# Altium PCB MiniRacer_V2.PcbDoc
Units mm, origin at the board's own origin, x right, y up, seen from the top; angles counter-clockwise.
Board outline 69.72 x 31.11 mm, 2 copper layers (Top Layer, Bottom Layer); 53 components, 52 nets, 208 pads, 80 vias.
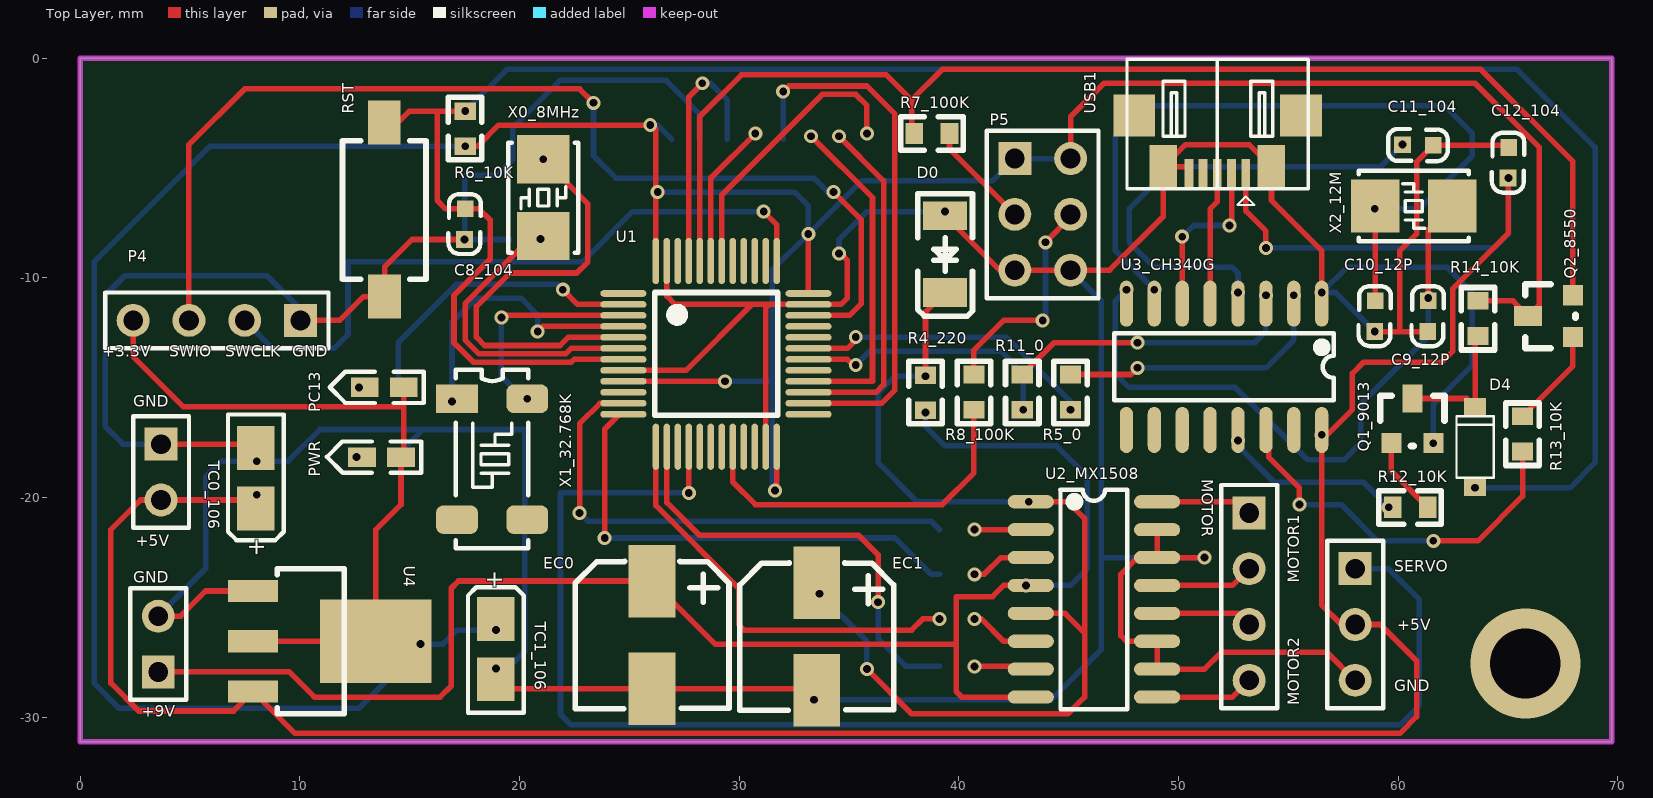
[diagram p0: Top Layer view]
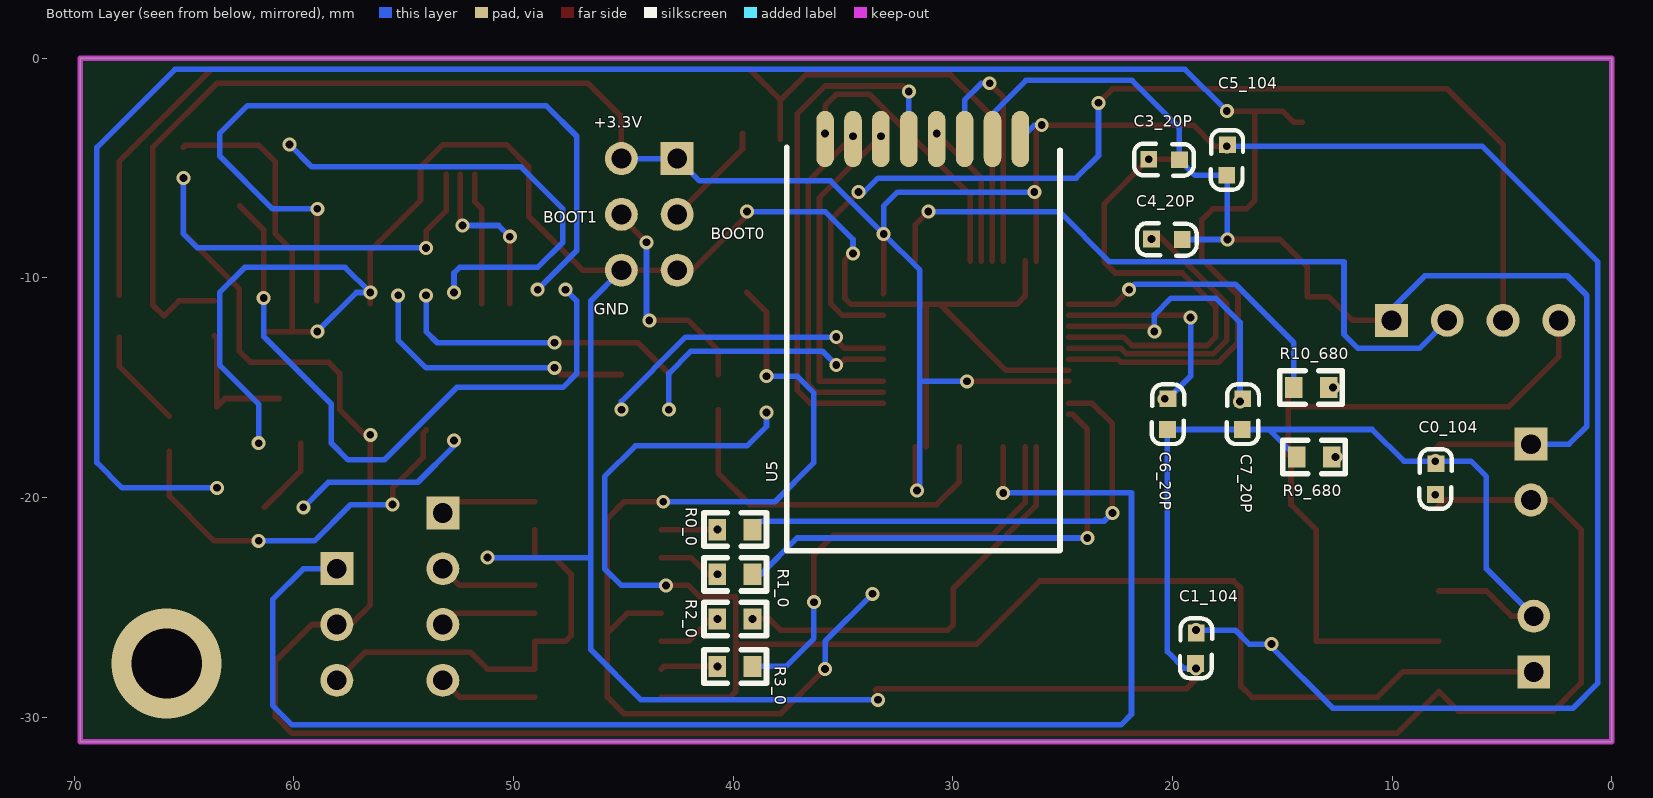
[diagram p1: Bottom Layer view, seen from below]

## Layer stack, top to bottom
Top Solder: solder mask 0.0102, Solder Resist, Dk 3.5
Top Layer: signal copper 0.0356
Dielectric 1: dielectric 0.32, FR-4, Dk 4.8
Bottom Layer: signal copper 0.0356
Bottom Solder: solder mask 0.0102, Solder Resist, Dk 3.5

## Board outline
0,-31.115 0,0 69.723,0 69.723,-31.115

## Design rules (kind name [scope] priority, off if disabled: settings)
Clearance [All] p1: gap=0 ignorepadtopadclearanceinfootprint=TRUE
HoleToHoleClearance [All] p1: gap=0 allowstackedmicrovias=TRUE
MinimumSolderMaskSliver [All] p1: minsoldermaskwidth=0
PolygonConnect [All] p1: connectstyle=Relief reliefconductorwidth=0.254 reliefentries=4 polygonreliefangle="90 Angle" airgapwidth=0.254
RoutingVias [All] p1: holewidth=0.711 width=1.27 viastyle="Through Hole" minholewidth=0.711 minwidth=1.27 maxholewidth=0.711 maxwidth=1.27
SilkToSilkClearance [All] p1: silktosilkclearance=0
SilkToSolderMaskClearance [IsPad] p1: minsilkscreentomaskgap=0 clearancetoexposedcopper=TRUE
SolderMaskExpansion [All] p1: expansion=0.102
Width [All] p1: maxlimit=0.254 minlimit=0.254 preferedwidth=0.254
26 further rules are at their usual default settings.

## Components (designator, comment, footprint, x,y, rotation, side; value= is the part's Value field where it differs from the comment)
+5V "Header 2" HDR1X2 3.683,-17.573 r270 top
+9V "Header 2" HDR1X2 3.556,-27.94 r90 top
C0_104 "104" 0603C 7.992,-18.457 r270 bottom
C1_104 "104" 0603C 18.957,-27.564 r90 bottom
C3_20P "20P" 0603C 21.087,-4.591 r180 bottom
C4_20P "20P" 0603C 20.96,-8.221 r180 bottom
C5_104 "104" 0603C 17.492,-3.932 r270 bottom
C6_20P "20P" 0603C 20.238,-16.908 r90 bottom
C7_20P "20P" 0603C 16.834,-16.908 r90 bottom
C8_104 "104" 0603C 17.535,-6.853 r270 top
C9_12P "12P" 0603C 61.375,-11.044 r270 top
C10_12P "12P" 0603C 58.962,-11.044 r270 top
C11_104 "104" 0603C 60.193,-3.928 r0 top
C12_104 "104" 0603C 65.033,-4.059 r270 top
D0 "DIODE" LL34 39.37,-7.168 r270 top
D4 "DIODE" SOD-123 63.5,-19.482 r90 top
EC0 "SMD_ECAP" SMD-EC6.3X6.3X10 26.035,-23.781 r270 top
EC1 "SMD_ECAP" SMD-EC6.3X6.3X10 33.528,-23.855 r270 top
MOTOR "2_Motor" HDR1X4 53.213,-20.701 r270 top
P4 "Pin HDR1X4" HDR1X4 10.033,-11.938 r180 top
P5 "Pin HDR2X3" "Pin HDR2X3/2.54mm-S" 42.545,-4.572 r270 top
PC13 "LED" LED-0603Y 14.732,-14.986 r180 top
PWR "LED" LED-0603Y 14.605,-18.161 r180 top
Q1_9013 "9013_NPN" SOT-23 60.579,-16.637 r0 top
Q2_8550 "8550_PNP" SOT-23 67.056,-11.811 r90 top
R0_0 "0" 0603R 39.116,-21.463 r0 bottom
R1_0 "0" 0603R 39.116,-23.495 r0 bottom
R2_0 "0" 0603R 39.116,-25.527 r0 bottom
R3_0 "0" 0603R 39.116,-27.686 r0 bottom
R4_220 "220" 0603R 38.481,-14.427 r270 top
R5_0 "0" 0603R 45.085,-16.002 r90 top (schematic designator R5_10K)
R6_10K "10k" 0603R 17.526,-2.413 r270 top
R7_100K "100k" 0603R 39.573,-3.429 r180 top
R8_100K "100k" 0603R 40.682,-16.002 r90 top
R9_680 "680" 0603R 14.351,-18.161 r180 bottom
R10_680 "680" 0603R 14.478,-14.986 r180 bottom
R11_0 "0" 0603R 42.884,-16.002 r90 top (schematic designator R11_10K)
R12_10K "10k" 0603R 59.741,-20.447 r0 top
R13_10K "10k" 0603R 65.659,-17.907 r90 top
R14_10K "10k" 0603R 63.627,-12.649 r90 top
RST "KEY" SMD-3X6X2.5 13.843,-10.795 r90 top
SERVO "Servo" HDR1X3 58.039,-23.241 r270 top
TC0_106 "106" TAJ-A/3216 8.001,-20.541 r90 top
TC1_106 "106" TAJ-A/3216 18.923,-25.48 r270 top
U1 "STM32F103C8T6" "LQFP48 7X7" 28.956,-13.462 r270 top
U2_MX1508 "MX1508" SOP16 43.272,-20.193 r0 top
U3_CH340G "CH340G" SOP16 56.515,-11.176 r270 top
U4 "AMS1117_3.3V" SOT223 7.874,-26.543 r270 top
U5 "NRF24L01" NRF24L01 26.924,-3.683 r270 bottom
USB1 "Micro-USB" USB-MICRO_A 53.061,-5.283 r180 top
X0_8MHz "8MHz" "OSC 5032-2P" 21.082,-6.35 r90 top
X1_32.768K "32.768K" "OSC MC-306" 18.756,-18.256 r270 top
X2_12M "12MHz" "OSC 5032-2P" 60.706,-6.731 r180 top

## Footprints (in the part's own frame and the unit in brackets; to place one, negate y for a bottom-side part, rotate by r counter-clockwise, add the part's x,y. Pads: shape width x height; smd on the part's side, far side on the other; paste and mask are expansions set on the pad)
0603C [mil]
  rect 30x30 smd: 1(0.21,-0.35) 2(55.21,-1.35)
  silkscreen extent -26,-30 81,28, body extent -1,-15 62,16, height 12
0603R [mm]
  rect 0.8x0.965 smd: 1(0,0) 2(1.6,0)
  silkscreen extent -0.64,-0.76 2.21,0.76, body extent -0.04,-0.41 1.56,0.41, height 0.45
HDR1X2 [mm] "Connector; Header; 2 Position"
  rect 1.5x1.5 hole 0.9: 1(0,0)
  round 1.5 hole 0.9: 2(2.54,0)
  silkscreen extent -1.27,-1.27 3.81,1.27
HDR1X3 [mm] "Connector; Header; 3 Position"
  rect 1.5x1.5 hole 0.9: 1(0,0)
  round 1.5 hole 0.9: 2(2.54,0) 3(5.08,0)
  silkscreen extent -1.27,-1.27 6.35,1.27
HDR1X4 [mm] "Connector; Header; 4 Position"
  rect 1.5x1.5 hole 0.9: 1(0,0)
  round 1.5 hole 0.9: 2(2.54,0) 3(5.08,0) 4(7.62,0)
  silkscreen extent -1.27,-1.27 8.89,1.27
LED-0603Y [mil]
  rect 50x35 smd: A(0,0) K(70,0)
  silkscreen extent -36,-28 133,28, body extent 4,-17 66,15, height 24
LL34 [mm] "玻封二极管"
  rect 1.3x2 smd: A(0,0) K(3.5,0)
  silkscreen extent -1,-1.25 4.57,1.25, body extent -0.1,-0.75 3.4,0.75, height 1.5
"LQFP48 7X7" [mm]
  oval 0.3x2.1 smd: 1(-2.75,-4.227) 2(-2.25,-4.227) 3(-1.75,-4.227) 4(-1.25,-4.227) 5(-0.75,-4.227) 6(-0.25,-4.227) 7(0.25,-4.227) 8(0.75,-4.227) 9(1.25,-4.227) 10(1.75,-4.227) 11(2.25,-4.227) 12(2.75,-4.227) 25(2.75,4.202) 26(2.25,4.202) 27(1.75,4.202) 28(1.25,4.202) 29(0.75,4.202) 30(0.25,4.202) 31(-0.25,4.202) 32(-0.75,4.202) 33(-1.25,4.202) 34(-1.75,4.202) 35(-2.25,4.202) 36(-2.75,4.202)
  oval 2.1x0.3 smd: 13(4.227,-2.75) 14(4.227,-2.25) 15(4.227,-1.75) 16(4.227,-1.25) 17(4.227,-0.75) 18(4.227,-0.25) 19(4.227,0.25) 20(4.227,0.75) 21(4.227,1.25) 22(4.227,1.75) 23(4.227,2.25) 24(4.227,2.75) 37(-4.227,2.75) 38(-4.227,2.25) 39(-4.227,1.75) 40(-4.227,1.25) 41(-4.227,0.75) 42(-4.227,0.25) 43(-4.227,-0.25) 44(-4.227,-0.75) 45(-4.227,-1.25) 46(-4.227,-1.75) 47(-4.227,-2.25) 48(-4.227,-2.75)
  silkscreen extent -2.79,-2.79 2.79,2.79, body extent -4.51,-4.5 4.5,4.5, height 1.45
NRF24L01 [mm]
  oval 2.56x0.8 smd: 1(0,0) 2(0,-1.27) 3(0,-2.54) 4(0,-3.81) 5(0,-5.08) 6(0,-6.35) 7(0,-7.62) 8(0,-8.89)
  silkscreen extent 0.38,-10.64 18.75,1.8, body extent 0.5,-10.4 18.5,1.6, height 1
"OSC 5032-2P" [mm]
  rect 2.2x2.4 smd: 1(-1.75,0) 2(1.75,0)
  silkscreen extent -2.5,-1.6 2.5,1.6, body extent -2.5,-1.52 2.5,1.68, height 0.86
"OSC MC-306" [mm]
  rect 1.3x1.9 smd: 1(-2.75,-1.6)
  rrect50% 1.3x1.9 smd: 2(2.75,-1.6) 3(2.75,1.6) 4(-2.75,1.6)
  silkscreen extent -4.06,-1.65 4.06,1.65, body extent -4,-1.52 4,1.74, height 2.56
"Pin HDR2X3/2.54mm-S" [mm] "Connector; Header; 3x2 Position"
  rect 1.5x1.5 hole 0.9: 1(0,0)
  round 1.5 hole 0.9: 2(0,2.54) 3(2.54,0) 4(2.54,2.54) 5(5.08,0) 6(5.08,2.54)
  silkscreen extent -1.27,-1.27 6.35,3.81, body extent -1.27,-1.27 6.35,3.81, height 7.58
SMD-3X6X2.5 [mm]
  rect 2x1.5 smd: 1(-0.059,-0.02) 3(7.874,0)
  silkscreen extent 0.73,-1.9 7.03,1.9, body extent -0.19,-1.78 7.81,1.72, height 2.59
SMD-EC6.3X6.3X10 [mm]
  rect 3.3x2.132 smd: 1(0.021,0) 2(4.921,0)
  silkscreen extent -0.88,-3.5 5.84,3.5, body extent -1.09,-3.3 5.91,3.3, height 5.4
SOD-123 [mm] "塑封二极管"
  rect 0.8x1 smd: A(-0.051,0) K(3.607,0)
  silkscreen extent 0.38,-0.85 3.18,0.85, body extent -0.12,-0.89 3.73,0.81, height 1.43
SOP16 [mm]
  oval 2.1x0.6 smd: 1(0,0) 2(0,-1.27) 3(0,-2.54) 4(0,-3.81) 5(0,-5.08) 6(0,-6.35) 7(0,-7.62) 8(0,-8.89) 9(5.75,-8.89) 10(5.75,-7.62) 11(5.75,-6.35) 12(5.75,-5.08) 13(5.75,-3.81) 14(5.75,-2.54) 15(5.75,-1.27) 16(5.75,0)
  silkscreen extent 1.35,-9.45 4.4,0.56, body extent -0.04,-9.45 5.97,0.56, height 1.9
SOT223 [mil]
  rect 40x90 smd: 1(-90,0) 2(0,0) 3(90,0)
  rect 150x200 smd: 2(0,220)
  silkscreen extent -130,43 130,163, body extent -130,-30 126,246, height 65
SOT-23 [mil]
  rect 36x36 smd: B(-35,-35) E(40,-35)
  rect 36x50 smd: C(3,45)
  silkscreen extent -55,-40 60,50, body extent -54,-48 60,62, height 47
TAJ-A/3216 [mm]
  rect 2x1.7 smd: 1(0.047,0) 2(2.794,0)
  silkscreen extent -1.4,-1.27 4.32,1.27, body extent -0.2,-0.8 3,0.8, height 1.6
USB-MICRO_A [mm]
  rect 1.9x1.9 smd: 0(-2.515,-2.667) 0(5.08,-2.667)
  rect 0.4x1.4 smd: 1(0,0) 2(0.648,0) 3(1.295,0) 4(1.943,0) 5(2.591,0)
  rect 1.25x2 smd: 5(-1.168,-0.33) 5(3.759,-0.33)
  silkscreen extent -2.84,-5.24 5.41,1.4, body extent -2.71,-5.08 5.25,0.34, height 2.69

## Part data
+5V +9V: "Header, 2-Pin", LatestRevisionDate=17-Jul-2002, LatestRevisionNote="Re-released for DXP Platform.", Publisher="Altium Limited"
C0_104 C1_104 C3_20P C4_20P C5_104 C6_20P C7_20P C8_104 C9_12P C10_12P C11_104 C12_104: library part CAP, "无极性电容"
D0 D4: "普通二极管"
EC0 EC1: "贴片电解电容"
MOTOR: library part "Header 4", "Header, 4-Pin", LatestRevisionDate=17-Jul-2002, LatestRevisionNote="Re-released for DXP Platform.", Publisher="Altium Limited"
Q1_9013 Q2_8550: library part NPN, "NPN三极管"
R0_0 R1_0 R2_0 R3_0 R4_220 R5_0 R6_10K R7_100K R8_100K R9_680 R10_680 R11_0 R12_10K R13_10K R14_10K: library part RES
SERVO: library part "Header 3", "Header, 3-Pin", LatestRevisionDate=17-Jul-2002, LatestRevisionNote="Re-released for DXP Platform.", Publisher="Altium Limited"
TC0_106 TC1_106: library part TCAP, "钽电容"
U4: library part AMS1117, "三端稳压芯片"
X0_8MHz X2_12M: library part XTAL-2P, "2脚无源脚晶振"
X1_32.768K: library part XTAL-MC-4P, "MC系列4脚晶振"

## Via types
v1: diameter 0.635, hole 0.356, Top Layer to Bottom Layer, 79 vias
v2: diameter 5, hole 3.2, Top Layer to Bottom Layer, 1 vias

## Nets (pads, with @x,y where several pads share a name; then routed paths per layer and width w, separated by ;. In a path a pad name is that pad's centre, name@x,y a point inside that pad or via, vN(x,y) a via of type N, cw(c..) or ccw(c..) an arc to the next point about the centre after c; other vN are vias at no path point)
+3.3V: C1_104.2 C5_104.1 P4.4 P5.1 P5.2 PC13.A PWR.A Q2_8550.C R6_10K.2 R14_10K.2 TC1_106.1 U1.9 U1.24 U1.36 U1.48 U4.2 U5.1 | length 189.1
  Top Layer w0.254: P4.4 2.413,-13.589 4.699,-15.875 14.605,-15.875 14.732,-15.748 ; U4.2@7.874,-26.543 13.462,-26.543 13.462,-21.463 14.605,-20.32 PWR.A 14.732,-18.034 14.732,-15.748 ; PC13.A 14.732,-15.748 ; v1(17.526,-4.013) 18.085,-4.013 19.05,-3.048 v1(25.952,-3.048) v1@25.952,-2.965 ; U1.9 v1(29.357,-14.712) v1@29.464,-14.605 ; U1.48 v1@26.206,-3.219 ; v1(31.623,-19.685) 31.623,-19.773 31.706,-19.856 U1.24 ; v1(33.147,-8.001) 33.147,-10.701 U1.36 ; P5.2@45.212,-4.572 P5.2 45.085,-2.667 46.609,-1.143 63.5,-1.143 66.421,-4.064 66.421,-11.227 Q2_8550.C 65.227,-11.049 R14_10K.2
  Bottom Layer w0.254: v1@15.494,-26.797 12.7,-29.591 1.778,-29.591 0.635,-28.448 0.635,-9.271 5.893,-4.013 v1(17.526,-4.013) ; v1(15.494,-26.67) 16.51,-26.67 17.145,-26.035 v1(18.923,-26.035) ; v1(25.952,-3.048) 26.289,-3.048 U5.1 ; v1(26.289,-6.096) 32.512,-6.096 33.147,-6.731 v1(33.147,-8.001) ; v1(29.357,-14.712) 31.476,-14.712 31.496,-14.732 ; v1@31.496,-19.812 31.496,-14.732 ; P5.2 P5.1 41.529,-5.588 35.56,-5.588 v1(33.147,-8.001) ; 31.496,-14.732 31.496,-9.652 v1(33.147,-8.001)
+5V: +5V.2 C0_104.2 C12_104.2 SERVO.2 TC0_106.1 U3_CH340G.16 U4.3 USB1.1 | length 126.3
  Top Layer w0.254: TC0_106.1 7.62,-20.113 +5V.2 2.747,-20.113 1.397,-21.463 1.397,-28.448 2.667,-29.718 6.985,-29.718 U4.3 9.779,-30.734 60.071,-30.734 60.833,-29.972 60.833,-27.432 59.182,-25.781 SERVO.2 57.404,-25.781 56.515,-24.892 56.515,-17.399 57.912,-16.002 57.912,-14.351 58.42,-13.843 61.976,-13.843 62.484,-13.335 62.484,-10.49 64.999,-7.976 C12_104.2 ; USB1.1 53.061,-6.96 53.975,-7.874 v1(53.975,-8.636)
  Bottom Layer w0.254: v1(53.975,-8.636) 64.389,-8.636 65.024,-8.001 v1(65.024,-5.461)
  other v1: 8.037,-19.871 56.515,-17.145
+5~6V: D0.K EC1.1 R4_220.1 U2_MX1508.1 U2_MX1508.5 | length 46.5
  Top Layer w0.254: v1(35.814,-27.813) 37.846,-29.845 44.958,-29.845 45.72,-29.083 45.72,-26.162 ; R4_220.1 38.481,-11.557 D0.K ; U2_MX1508.5 44.831,-25.273 45.72,-26.162 ; U2_MX1508.1 44.958,-20.193 45.72,-20.955 45.72,-26.162
  Bottom Layer w0.254: v1(33.655,-24.384) 35.814,-26.543 v1(35.814,-27.813) ; v1(38.481,-14.478) 37.084,-14.478 36.322,-15.24 36.322,-18.415 38.1,-20.193 v1(43.18,-20.193)
+9V: +9V.1 EC0.1 R4_220.2 U2_MX1508.4 U2_MX1508.8 | length 70.4
  Top Layer w0.254: +9V.1 9.525,-27.94 10.668,-29.083 16.383,-29.083 16.891,-28.575 16.891,-24.13 17.219,-23.802 EC0.1 28.903,-26.67 39.878,-26.67 ; U2_MX1508.8 40.132,-29.083 39.878,-28.829 39.878,-26.67 ; U2_MX1508.4 v1(43.053,-24.003) 42.037,-24.003 41.529,-24.511 39.878,-24.511 39.878,-26.67
  Bottom Layer w0.254: v1(38.481,-16.129) 38.481,-16.764 39.37,-17.653 44.45,-17.653 45.847,-19.05 45.847,-23.241 45.085,-24.003 v1(43.053,-24.003)
BOOT0: Q2_8550.E R7_100K.2 U1.44 | length 57.8
  Top Layer w0.254: U1.44 28.206,-2.655 30.099,-0.762 36.703,-0.762 37.846,-1.905 ; R7_100K.2@37.846,-3.683 37.846,-1.905 ; Q2_8550.E 67.945,-4.699 63.754,-0.508 39.243,-0.508 37.846,-1.905
BOOT1: R8_100K.1 U1.20 | length 16.5
  Top Layer w0.254: U1.20 29.706,-19.292 30.734,-20.32 39.243,-20.32 40.682,-18.881 R8_100K.1
D+: U3_CH340G.5 USB1.3 | length 6
  Top Layer w0.254: U3_CH340G.5 51.435,-6.858 51.765,-6.528 USB1.3
D-: U3_CH340G.6 USB1.2 | length 7.7
  Top Layer w0.254: U3_CH340G.6 v1(50.165,-8.128) ; v1(52.324,-7.62) 52.413,-7.531 USB1.2
  Bottom Layer w0.254: v1(50.165,-8.128) 50.673,-7.62 v1@52.197,-7.62
GND: +5V.1 +9V.2 C0_104.1 C1_104.1 C3_20P.2 C4_20P.2 C5_104.2 C6_20P.1 C7_20P.1 C8_104.2 C9_12P.2 C10_12P.2 C11_104.2 C12_104.1 D0.A EC0.2 EC1.2 P4.1 P5.5 P5.6 Q1_9013.E R9_680.1 RST.1 SERVO.3 TC0_106.2 TC1_106.2 U1.8 U1.23 U1.35 U1.47 U2_MX1508.10 U2_MX1508.11 U2_MX1508.14 U2_MX1508.15 U3_CH340G.1 U4.1 U5.2 USB1.5 | length 260.4
  Top Layer w0.254: +9V.2 4.572,-25.4 5.715,-24.257 U4.1 ; +5V.1 7.827,-17.573 TC0_106.2 ; P4.1 11.811,-11.938 12.895,-10.854 RST.1 13.863,-9.505 15.113,-8.255 v1(17.501,-8.255) ; TC1_106.2 19.351,-28.702 EC0.2 33.454,-28.702 EC1.2 ; U1.8 27.571,-14.212 30.571,-11.212 ; U1.47 26.706,-10.831 27.087,-11.212 30.571,-11.212 ; U1.23 31.206,-11.375 31.369,-11.212 ; v1@34.734,-9.017 34.925,-9.207 34.925,-10.922 34.635,-11.212 U1.35 31.369,-11.212 ; D0.A 41.854,-9.652 P5.5 P5.6 46.863,-9.652 49.301,-7.214 USB1.5@49.301,-4.953 ; U2_MX1508.15 U2_MX1508.14 ; USB1.5@50.419,-4.953 USB1.5@49.301,-4.953 ; v1(51.181,-22.733) U2_MX1508.14 ; U3_CH340G.1 v1(56.515,-10.668) 56.515,-8.763 54.229,-6.477 54.229,-4.953 53.213,-3.937 50.317,-3.937 USB1.5@49.301,-4.953 ; SERVO.3 56.769,-27.051 51.943,-27.051 51.181,-27.813 U2_MX1508.10 U2_MX1508.11 47.625,-26.543 47.371,-26.289 47.371,-23.495 48.133,-22.733 U2_MX1508.14 ; v1(58.928,-12.446) 60.071,-12.446 ; C9_12P.2 60.071,-12.446 ; C12_104.1 64.922,-3.962 C11_104.2 60.833,-4.724 60.833,-8.001 60.071,-8.763 60.071,-12.446 ; 30.571,-11.212 31.369,-11.212
  Bottom Layer w0.254: +9V.2 5.715,-23.241 5.715,-19.05 6.418,-18.347 v1(8.037,-18.347) 9.466,-18.347 10.91,-16.903 15.609,-16.903 ; +5V.1 1.952,-17.573 1.143,-16.764 1.143,-10.795 2.032,-9.906 8.509,-9.906 10.033,-11.43 P4.1 ; R9_680.1 15.609,-16.903 ; v1(18.935,-27.777) 19.467,-27.777 20.229,-27.015 C6_20P.1 C7_20P.1 15.609,-16.903 ; C4_20P.2 v1(17.501,-8.255) 17.501,-5.359 C5_104.2 18.976,-5.334 C3_20P.2 19.685,-3.175 21.844,-1.016 26.67,-1.016 28.194,-2.54 U5.2 ; v1(33.401,-29.21) 44.196,-29.21 46.482,-26.924 46.482,-22.733 ; v1(34.544,-8.89) 34.544,-8.255 35.814,-6.985 v1(39.37,-6.985) ; P5.6 46.482,-11.049 46.482,-22.733 ; v1(51.181,-22.733) 46.482,-22.733 ; v1(58.928,-12.446) 57.15,-10.668 v1(56.515,-10.668) 57.658,-9.525 62.23,-9.525 63.373,-10.668 63.373,-13.97 61.595,-15.748 v1(61.595,-17.526)
I/O_CE: U1.45 U5.3 | length 11.6
  Top Layer w0.254: U1.45 27.706,-1.758 v1(28.321,-1.143)
  Bottom Layer w0.254: v1(28.321,-1.143) 28.702,-1.143 29.464,-1.905 U5.3
I/O_CSN: U1.43 U5.4 | length 6.6
  Top Layer w0.254: U1.43 28.706,-5.457 v1(30.734,-3.429)
I/O_INA1: R0_0.1 U1.11 | length 23.1
  Top Layer w0.254: v1(22.733,-20.701) 22.733,-16.637 23.658,-15.712 U1.11
  Bottom Layer w0.254: v1(22.733,-20.701) 23.114,-21.082 38.735,-21.082 R0_0.1
I/O_INA2: R2_0.1 U1.13 | length 19
  Top Layer w0.254: U1.13 26.206,-20.364 29.972,-24.13 29.972,-25.781 30.226,-26.035 37.846,-26.035 38.354,-25.527 v1@38.989,-25.527
  other v1: 39.116,-25.527
I/O_INB1: R1_0.1 U1.12 | length 22
  Top Layer w0.254: v1(23.876,-21.844) 23.876,-16.891 24.555,-16.212 U1.12
  Bottom Layer w0.254: v1(23.876,-21.844) 37.084,-21.844 38.735,-23.495 R1_0.1
I/O_INB2: R3_0.1 U1.14 | length 20.3
  Top Layer w0.254: U1.14 26.706,-20.229 28.194,-21.717 35.433,-21.717 36.322,-22.606 v1(36.322,-24.765)
  Bottom Layer w0.254: v1(36.322,-24.765) 36.322,-26.416 37.592,-27.686 R3_0.1
I/O_IRO: U1.42 U5.8 | length 13
  Top Layer w0.254: U1.42 29.206,-6.227 33.782,-1.651 35.306,-1.651 35.814,-2.159 v1(35.814,-3.429)
I/O_MISO: U1.27 U5.7 | length 15.7
  Top Layer w0.254: U1.27 36.223,-15.212 36.576,-14.859 36.576,-5.588 v1(34.544,-3.556)
I/O_MOSI: U1.28 U5.6 | length 15.2
  Top Layer w0.254: U1.28 36.068,-14.712 36.068,-6.35 v1(33.274,-3.556)
I/O_SCK: U1.26 U5.5 | length 24.6
  Top Layer w0.254: v1(32.004,-1.524) 32.258,-1.27 35.814,-1.27 37.084,-2.54 37.084,-15.113 36.485,-15.712 U1.26
  Bottom Layer w0.254: U5.5 v1(32.004,-1.524)
I/O_Servo: SERVO.1 U1.16 | length 66
  Top Layer w0.254: v1@27.686,-19.812 v1(27.706,-19.792) U1.16
  Bottom Layer w0.254: v1(27.706,-19.792) 21.864,-19.792 21.864,-29.865 22.352,-30.353 60.071,-30.353 60.96,-29.464 60.96,-24.638 59.563,-23.241 SERVO.1
NetC3_20P_1: C3_20P.1 U1.5 X0_8MHz.2 | length 20.9
  Top Layer w0.254: X0_8MHz.2@20.038,-4.6 v1(21.082,-4.6) 23.114,-6.632 23.114,-9.271 22.606,-9.779 19.558,-9.779 18.034,-11.303 18.034,-12.7 18.415,-13.081 21.844,-13.081 22.213,-12.712 U1.5
NetC4_20P_1: C4_20P.1 U1.6 X0_8MHz.1 | length 14.1
  Top Layer w0.254: X0_8MHz.1 20.602,-8.1 17.526,-11.176 17.526,-12.827 18.161,-13.462 22.098,-13.462 22.348,-13.212 U1.6
  other v1: 20.955,-8.23
NetC6_20P_2: C6_20P.2 U1.3 X1_32.768K.4 | length 9.7
  Top Layer w0.254: v1(19.177,-11.811) 19.276,-11.712 U1.3
  Bottom Layer w0.254: v1(19.177,-11.811) 19.177,-14.479 C6_20P.2
  other v1: 20.356,-15.506
NetC7_20P_2: C7_20P.2 U1.4 X1_32.768K.1 | length 13
  Top Layer w0.254: v1(20.828,-12.446) 21.062,-12.212 U1.4
  Bottom Layer w0.254: v1(16.927,-15.633) 16.927,-12.029 18.034,-10.922 20.066,-10.922 20.828,-11.684 v1(20.828,-12.446)
NetC9_12P_1: C9_12P.1 U3_CH340G.8 X2_12M.1 | length 29.8
  Top Layer w0.254: C9_12P.1 v1(61.366,-10.922) 61.366,-7.821 X2_12M.1
  Bottom Layer w0.254: v1(47.625,-10.541) 47.117,-11.049 47.117,-14.351 47.752,-14.986 52.578,-14.986 55.88,-18.288 57.531,-18.288 58.293,-17.526 58.293,-15.748 61.366,-12.675 v1(61.366,-10.922)
NetC10_12P_1: C10_12P.1 U3_CH340G.7 X2_12M.2 | length 35.9
  Top Layer w0.254: C10_12P.1 58.953,-6.734 X2_12M.2
  Bottom Layer w0.254: v1(48.895,-10.541) 47.117,-8.763 47.117,-3.556 48.514,-2.159 62.103,-2.159 63.373,-3.429 63.373,-4.445 60.96,-6.858 v1(58.928,-6.858)
NetC11_104_1: C11_104.1 U3_CH340G.4 | length 21.6
  Bottom Layer w0.254: v1(52.705,-10.668) 52.705,-9.779 52.451,-9.525 48.895,-9.525 47.752,-8.382 47.752,-6.858 49.657,-4.953 59.182,-4.953 v1(60.198,-3.937)
NetD4_K: D4.K Q1_9013.C R14_10K.1 | length 6.3
  Top Layer w0.254: Q1_9013.C 63.119,-15.494 D4.K 63.5,-12.776 R14_10K.1
NetP5_3: P5.3 R7_100K.1 | length 4.9
  Top Layer w0.254: R7_100K.1 39.573,-4.14 P5.3
NetP5_4: P5.4 R8_100K.2 | length 10.2
  Top Layer w0.254: R8_100K.2 40.682,-13.293 42.037,-11.938 v1(43.815,-11.938) ; v1(43.942,-8.382) 45.085,-7.239 P5.4
  Bottom Layer w0.254: v1(43.815,-11.938) 43.942,-11.811 v1(43.942,-8.382)
NetPC13_K: PC13.K R10_680.2
  other v1: 12.7,-14.986
NetPWR_K: PWR.K R9_680.2
  other v1: 12.573,-18.161
NetQ1_9013_B: Q1_9013.B R12_10K.2 | length 3.6
  Top Layer w0.254: Q1_9013.B 59.69,-18.796 R12_10K.2
NetQ2_8550_B: Q2_8550.B R13_10K.2 | length 4.6
  Top Layer w0.254: R13_10K.2 67.945,-14.021 Q2_8550.B
NetR0_0_2: R0_0.2 U2_MX1508.2 | length 2.6
  Top Layer w0.254: v1(40.716,-21.463) U2_MX1508.2
NetR1_0_2: R1_0.2 U2_MX1508.3 | length 2.9
  Top Layer w0.254: v1(40.716,-23.495) 41.148,-23.495 41.91,-22.733 U2_MX1508.3
NetR2_0_2: R2_0.2 U2_MX1508.6 | length 3
  Top Layer w0.254: v1(40.716,-25.527) 41.021,-25.527 42.037,-26.543 U2_MX1508.6
NetR3_0_2: R3_0.2 U2_MX1508.7 | length 2.6
  Top Layer w0.254: v1(40.716,-27.686) 43.145,-27.686 U2_MX1508.7
NetR5_0_2: R5_0.2 U3_CH340G.2 | length 12.8
  Top Layer w0.254: R5_0.2 47.828,-14.402 v1(48.133,-14.097)
  Bottom Layer w0.254: v1(48.133,-14.097) 53.975,-14.097 55.245,-12.827 v1(55.245,-10.795)
NetR11_0_2: R11_0.2 U3_CH340G.3 | length 13.6
  Top Layer w0.254: R11_0.2 44.332,-12.954 v1(48.133,-12.954)
  Bottom Layer w0.254: v1(48.133,-12.954) 53.467,-12.954 53.975,-12.446 v1(53.975,-10.795)
NetR12_10K_1: R12_10K.1 U3_CH340G.13 | length 8.3
  Bottom Layer w0.254: v1(52.705,-17.399) 52.705,-17.653 54.356,-19.304 58.42,-19.304 v1(59.563,-20.447)
NetR13_10K_1: R13_10K.1 U3_CH340G.14 | length 17.8
  Top Layer w0.254: U3_CH340G.14 54.102,-17.053 54.102,-18.161 55.499,-19.558 v1(55.499,-20.32) ; v1(61.595,-21.971) 63.627,-21.971 65.659,-19.939 R13_10K.1
  Bottom Layer w0.254: v1(55.499,-20.32) 57.404,-20.32 59.055,-21.971 61.468,-21.971 v1@61.595,-21.844
NRST: C8_104.1 D4.A R6_10K.1 RST.3 U1.7 | length 98.9
  Top Layer w0.254: RST.3@14.097,-2.921 14.478,-2.921 14.986,-2.413 16.256,-2.413 ; v1(17.526,-2.413) 16.256,-2.413 ; U1.7 22.483,-13.712 22.352,-13.843 17.907,-13.843 17.018,-12.954 17.018,-10.795 18.669,-9.144 18.669,-7.366 18.161,-6.858 C8_104.1 16.637,-6.858 16.256,-6.477 16.256,-2.413
  Bottom Layer w0.254: v1(17.526,-2.413) 19.431,-0.508 65.405,-0.508 68.961,-4.064 68.961,-18.415 67.818,-19.558 v1(63.5,-19.558)
OUTA1: MOTOR.1 U2_MX1508.16 | length 4.4
  Top Layer w0.254: U2_MX1508.16 52.705,-20.193 MOTOR.1
OUTA2: MOTOR.3 U2_MX1508.12 | length 4.4
  Top Layer w0.254: U2_MX1508.12 52.705,-25.273 MOTOR.3
OUTB1: MOTOR.2 U2_MX1508.13 | length 4.5
  Top Layer w0.254: U2_MX1508.13 52.451,-24.003 MOTOR.2
OUTB2: MOTOR.4 U2_MX1508.9 | length 4.5
  Top Layer w0.254: U2_MX1508.9 52.451,-29.083 MOTOR.4
PA9/TX: R11_0.1 U1.30 | length 12.1
  Top Layer w0.254: U1.30 34.921,-13.712 v1@35.179,-13.97
  Bottom Layer w0.254: v1(35.306,-13.97) 35.941,-13.335 41.91,-13.335 42.926,-14.351 v1(42.926,-16.002)
PA10/RX: R5_0.1 U1.31 | length 13.7
  Top Layer w0.254: U1.31 34.921,-13.212 v1@35.306,-12.827
  Bottom Layer w0.254: v1(35.306,-12.7) 42.164,-12.7 45.085,-15.621 v1(45.085,-16.002)
PC13: R10_680.1 U1.2 | length 13.8
  Top Layer w0.254: v1(21.971,-10.541) 22.642,-11.212 U1.2
  Bottom Layer w0.254: R10_680.1 14.478,-12.954 17.145,-10.287 21.717,-10.287 v1(21.971,-10.541)
SWCLK: P4.2 U1.37 | length 31.2
  Top Layer w0.254: v1(31.115,-6.985) 31.706,-7.576 U1.37
  Bottom Layer w0.254: P4.2 8.763,-13.208 11.557,-13.208 12.192,-12.573 12.192,-9.271 22.86,-9.271 25.146,-6.985 v1(31.115,-6.985)
SWIO: P4.3 U1.34 | length 50
  Top Layer w0.254: P4.3 4.953,-3.937 7.493,-1.397 22.733,-1.397 v1(23.368,-2.032) ; U1.34 35.024,-11.712 35.56,-11.176 35.56,-7.366 v1(34.29,-6.096)
  Bottom Layer w0.254: v1(23.368,-2.032) 23.368,-4.445 24.384,-5.461 33.401,-5.461 34.036,-6.096 v1(34.29,-6.096)
pads on no net: U1.1 U1.10 U1.15 U1.17 U1.18 U1.19 U1.21 U1.22 U1.25 U1.29 U1.32 U1.33 U1.38 U1.39 U1.40 U1.41 U1.46 U3_CH340G.9 U3_CH340G.10 U3_CH340G.11 U3_CH340G.12 U3_CH340G.15 USB1.0 USB1.4 X1_32.768K.2 X1_32.768K.3
copper on no net:
  other v2: 65.786,-27.559

## Keep-outs
Keep-Out Layer:
  lines w0.254: 0,-31.115 0,0 69.723,0 69.723,-2.159 69.723,-31.115 0,-31.115

## Silkscreen, mask and mechanical layers (free items; w line width, h text height)
Top Overlay:
  text "+3.3V" at 1.016,-13.589 h0.51
  text "SWIO" at 4.064,-13.589 h0.51
  text "SWCLK" at 6.604,-13.589 h0.51
  text "GND" at 9.652,-13.589 h0.51
  text "GND" at 2.413,-15.875 h0.51
  text "GND" at 2.413,-23.876 h0.51
  text "MOTOR1" at 55.499,-23.876 h0.51 r90
  text "+5V" at 59.944,-26.035 h0.51
  text "GND" at 59.817,-28.829 h0.51
  text "MOTOR2" at 55.499,-29.464 h0.51 r90
Bottom Overlay:
  text "+3.3V" at 46.355,-3.175 h0.51
  text "BOOT1" at 48.641,-7.493 h0.51
  text "BOOT0" at 41.021,-8.255 h0.51
  text "GND" at 46.355,-11.684 h0.51

## Text inside footprints (layer, text, board x,y; h text height)
TC0_106: Top Overlay "+" at 8.382,-22.7 h0.76 r90
TC1_106: Top Overlay "+" at 18.542,-23.321 h0.76 r270